# KiCad board squishy.kicad_pcb (continued)
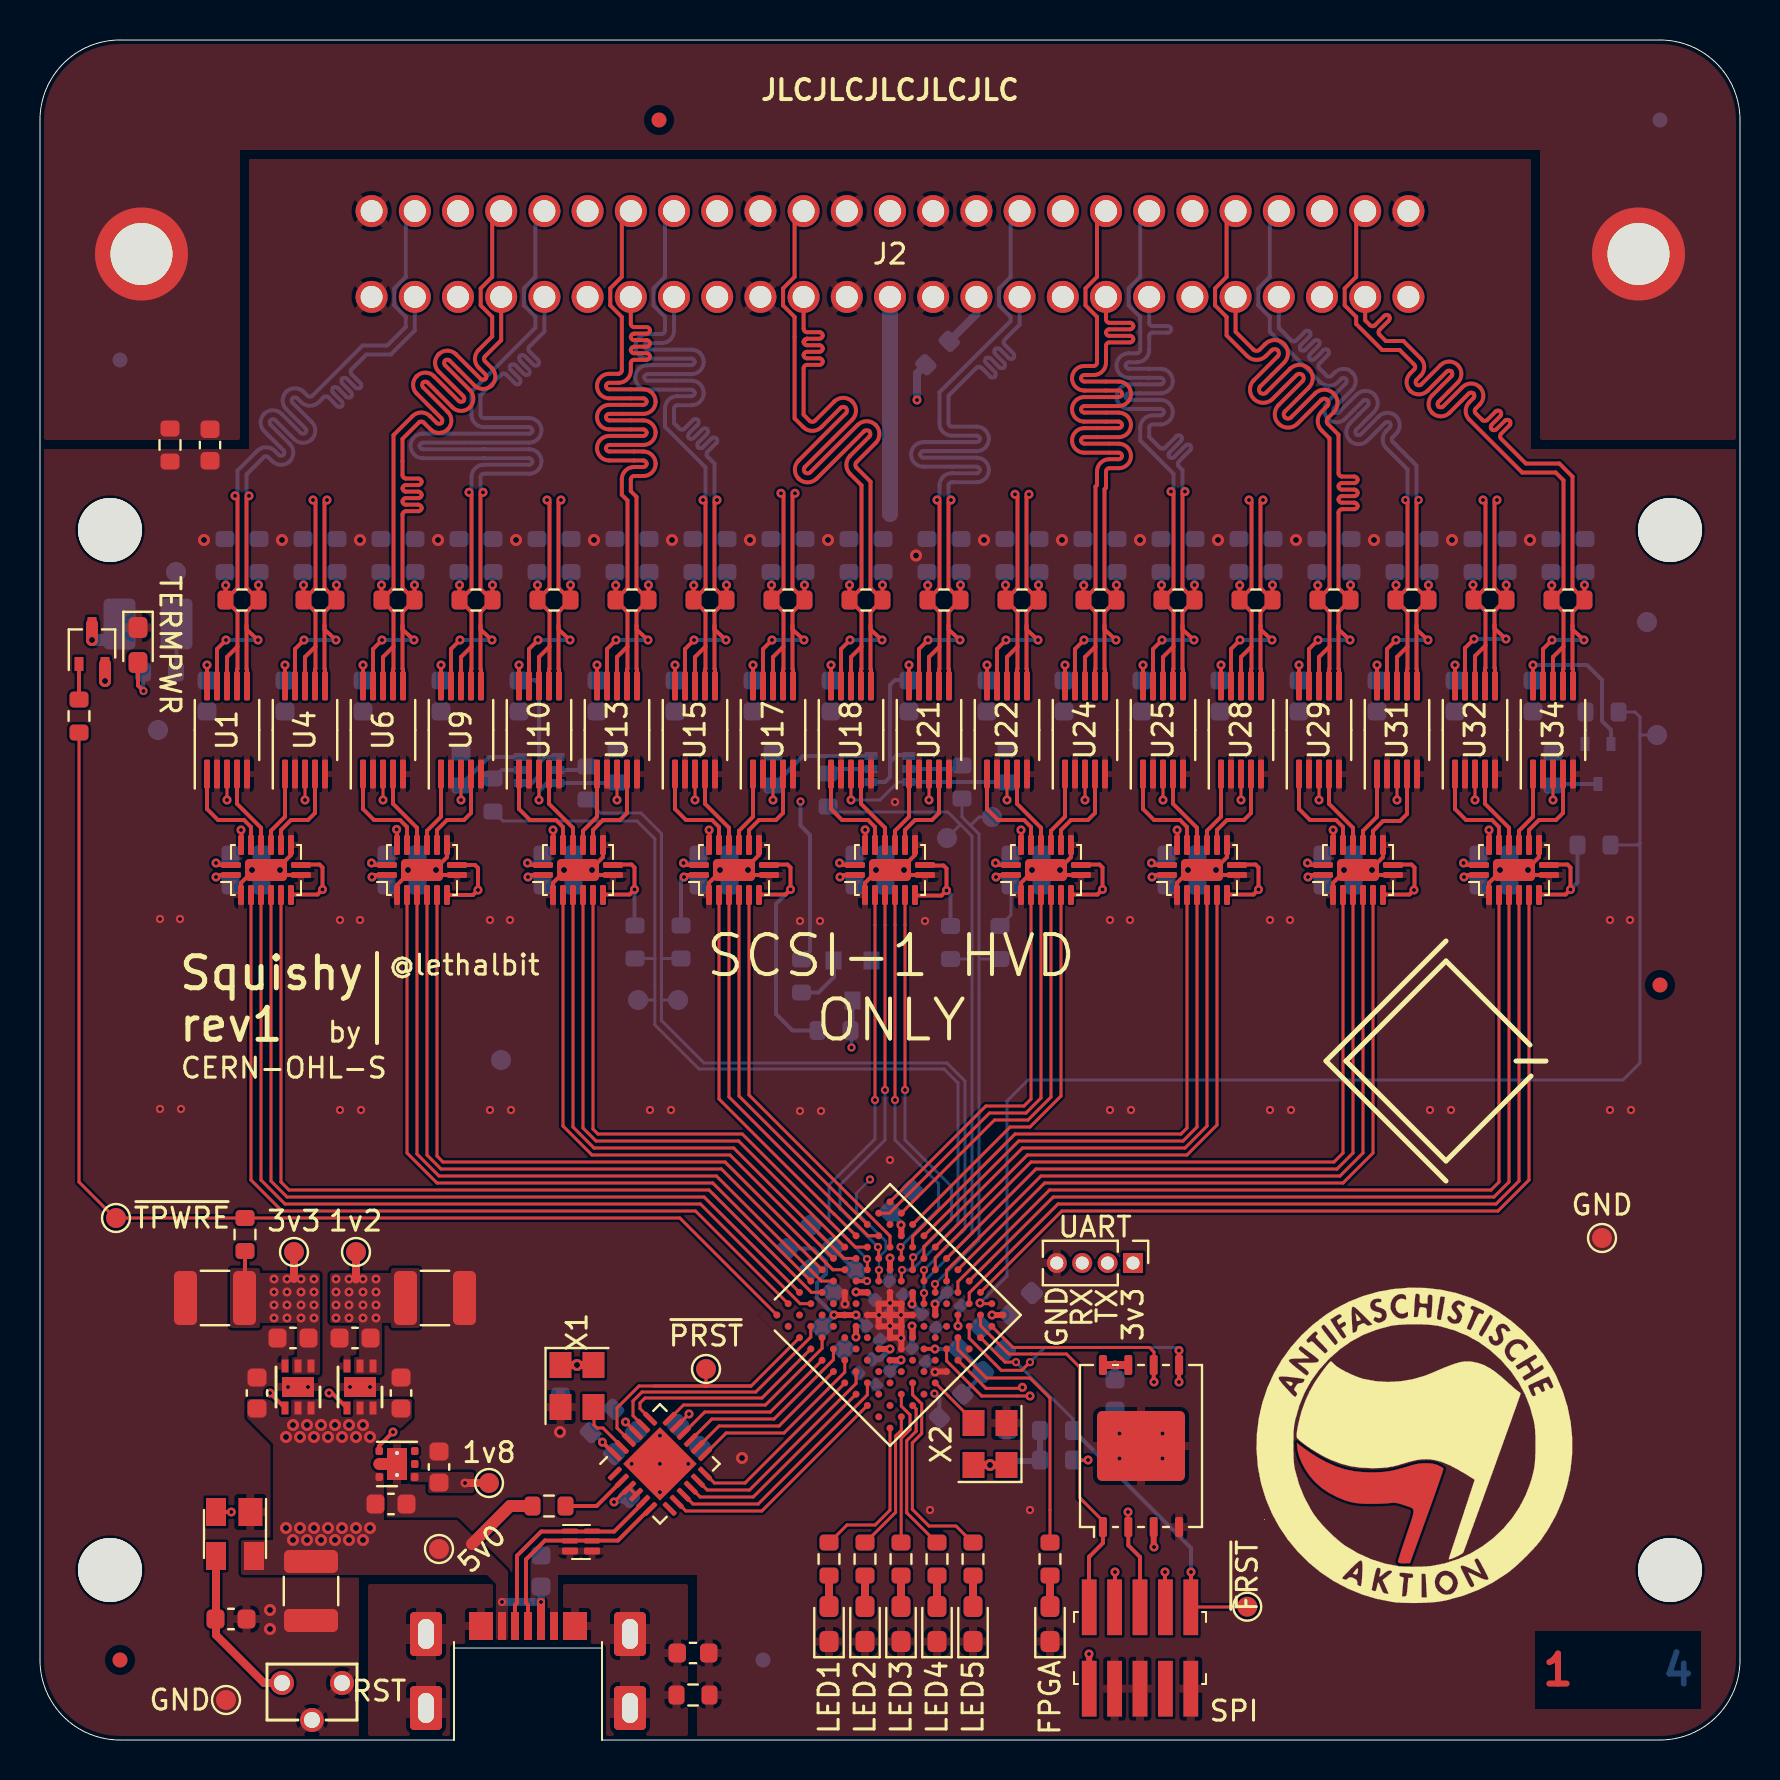
[diagram p0: board, top side]
## Routing (per net, layer and track width the routed paths; a pad name or vN(x,y) marks a point on that pad's centre or on a via; arc(x,y) is an arc through that point) (continued)
/SCSI Transceiver/SEL_TX: length 4.8
  Top w0.2: U9.4 21.55,46.35 21.2,46 20.35,46 19.85,45.5 U8.11
/SCSI Transceiver/TX_EN: length 63.5
  Top w0.152: U21.3 v2(44.45,47) ; U31.3 v2(67.85,47) ; U22.3 v2(48.35,47) ; U32.3 v2(71.75,47) ; U28.3 v2(60.05,47) ; U24.3 v2(52.25,47) ; U29.3 v2(63.95,47) ; U13.3 v2(28.85,47) ; U34.3 v2(75.65,47) ; U25.3 v2(56.15,47)
  In2.Cu w0.152: v2(75.65,47) v2(71.75,47) v2(67.85,47) v2(63.95,47) v2(60.05,47) v2(56.15,47) v2(52.25,47) v2(48.35,47) v2(44.45,47) 43.45,46 29.85,46 v2(28.85,47)
  Bottom w0.152: v2(75.65,47) 75.65,47.7
  Bottom w0.2: Q2.3 75.8,47.8 75.75,47.75
/SCSI-OUT.ACK+: length 42.1
  Top w0.2: v2(34.3,55) 33.72,55.52 33.72,55.72 ; 33.72,55.72 33.72,56.4 R11.2 ; 33.72,55.72 33.72,53.56 33.75,53.53 33.75,53.1 ; U15.9 32.25,54.55 v2(32.7,55) ; v2(33.85,62) 33.73,61.88 33.73,57.6 R11.2 ; R11.2 v2(34.32,57.75)
  Bottom w0.2: v2(33.85,62) 33.73,62.12 33.73,63.82 33.37,64.17 arc(33.32,64.29) 33.37,64.4 33.82,64.85 arc(33.87,64.96) 33.82,65.08 arc(33.7,65.13) 33.59,65.08 33.14,64.63 arc(33.02,64.59) 32.91,64.63 arc(32.86,64.75) 32.91,64.87 33.36,65.31 arc(33.4,65.43) 33.36,65.54 arc(33.24,65.59) 33.12,65.54 32.68,65.1 arc(32.56,65.05) 32.45,65.1 arc(32.4,65.21) 32.45,65.33 32.89,65.77 arc(32.94,65.89) 32.89,66.01 arc(32.78,66.05) 32.66,66.01 32.22,65.56 arc(32.1,65.51) 31.98,65.56 31.7,65.84 31.7,66.57 arc(31.75,66.69) 31.86,66.74 32.57,66.74 arc(33.01,66.92) 33.18,67.35 arc(33.01,67.79) 32.57,67.97 30.38,67.97 arc(30.26,68.01) 30.22,68.13 arc(30.26,68.24) 30.38,68.29 32.57,68.29 arc(33.01,68.47) 33.18,68.91 arc(33.01,69.34) 32.57,69.52 30.38,69.52 arc(30.26,69.57) 30.22,69.68 arc(30.26,69.8) 30.38,69.85 31.09,69.85 arc(31.52,70.03) 31.7,70.46 J2.18 ; v2(34.3,55) v2(32.7,55) ; v2(34.32,57.75) 34.32,58.38
/SCSI-OUT.ACK-: length 39.3
  Top w0.2: U15.8 32.75,54.15 33.27,54.67 ; v2(32.69,57.74) 32.68,57.72 R11.1 33.27,57.6 33.27,61.88 v2(33.15,62) ; 32.67,57 33.27,56.4 33.27,54.67 ; 33.25,53.05 33.25,53.53 33.27,53.56 33.27,54.67
  Bottom w0.2: v2(33.15,62) 33.27,62.12 33.27,63.63 31.25,65.66 31.25,66.57 arc(31.43,67.01) 31.86,67.19 32.57,67.19 arc(32.69,67.24) 32.73,67.35 arc(32.69,67.47) 32.57,67.52 30.38,67.52 arc(29.94,67.7) 29.77,68.13 arc(29.94,68.56) 30.38,68.74 32.57,68.74 arc(32.69,68.79) 32.73,68.91 arc(32.69,69.02) 32.57,69.07 30.38,69.07 arc(29.94,69.25) 29.77,69.68 arc(29.94,70.12) 30.38,70.3 31.09,70.3 arc(31.2,70.34) 31.25,70.46 31.25,71.15 30.67,71.73 30.67,72.58 31.25,73.16 31.25,76 J2.43 ; v2(32.69,57.74) 32.69,58.36 R66.2
/SCSI-OUT.ATN+: length 43.8
  Top w0.2: 41.55,53.1 41.55,53.53 41.52,53.56 41.52,55.72 ; R15.2 v2(42.12,57.75) ; R15.2 41.53,57.6 41.53,62.92 40.82,63.62 arc(40.77,63.75) 40.82,63.89 41.78,64.85 arc(41.97,65.3) 41.78,65.75 arc(41.33,65.94) 40.88,65.75 38.51,63.39 arc(38.38,63.33) 38.25,63.39 arc(38.19,63.52) 38.25,63.65 40.61,66.02 arc(40.8,66.47) 40.61,66.92 arc(40.16,67.11) 39.71,66.92 38.75,65.96 arc(38.62,65.91) 38.48,65.96 38.18,66.26 38.18,68.59 arc(38.23,68.71) 38.34,68.76 38.97,68.76 arc(39.09,68.8) 39.14,68.92 arc(39.09,69.04) 38.97,69.08 38.34,69.08 arc(38.23,69.13) 38.18,69.25 arc(38.23,69.36) 38.34,69.41 38.97,69.41 arc(39.09,69.46) 39.14,69.57 arc(39.09,69.69) 38.97,69.74 38.34,69.74 arc(38.23,69.79) 38.18,69.9 ; R15.2 41.52,56.4 41.52,55.72 ; 41.52,55.72 41.52,55.52 v2(42.1,55) ; 38.34,70.06 38.18,69.9 ; 38.34,70.06 38.97,70.06 arc(39.09,70.11) 39.14,70.23 arc(39.09,70.34) 38.97,70.39 38.34,70.39 arc(38.23,70.44) 38.18,70.56 J2.15 ; 38.34,70.06 arc(38.23,70.02) 38.18,69.9 ; U18.9 40.05,54.55 v2(40.5,55)
  Bottom w0.2: 42.15,58.3 42.12,58.27 v2(42.12,57.75) ; v2(42.1,55) v2(40.5,55)
/SCSI-OUT.ATN-: length 40.9
  Top w0.2: 41.07,54.67 41.07,53.56 41.05,53.53 41.05,53.05 ; 41.07,54.67 41.07,56.4 40.47,57 ; 41.07,54.67 40.55,54.15 U18.8 ; v2(40.47,57.75) 40.47,57.75 R15.1 41.07,57.6 41.07,62.73 40.5,63.3 arc(40.32,63.75) 40.5,64.21 41.47,65.17 arc(41.52,65.3) 41.47,65.43 arc(41.33,65.49) 41.2,65.43 38.83,63.07 arc(38.38,62.88) 37.93,63.07 arc(37.74,63.52) 37.93,63.97 40.3,66.34 arc(40.35,66.47) 40.3,66.6 arc(40.16,66.66) 40.03,66.6 39.07,65.64 arc(38.62,65.46) 38.16,65.64 37.73,66.08 37.73,71.15 37.15,71.73 37.15,72.58 37.73,73.16 37.73,76 J2.40
  Bottom w0.2: R60.2 40.47,58.38 v2(40.47,57.75)
/SCSI-OUT.BSY+: length 41.8
  Top w0.2: 37.62,55.72 37.62,53.56 37.65,53.53 37.65,53.1 ; 37.62,55.72 37.62,55.52 v2(38.2,55) ; 37.62,55.72 37.62,56.4 R12.2 ; R12.2 v2(38.22,57.75) ; R12.2 37.62,57.6 37.62,62.21 v2(37.75,62.34) ; U17.9 36.15,54.55 v2(36.6,55)
  In1.Cu w0.2: v2(37.75,62.34) 37.62,62.46 37.62,63.19 36.86,63.96 arc(36.81,64.07) 36.86,64.19 37.44,64.77 arc(37.62,65.2) 37.44,65.64 arc(37,65.81) 36.57,65.64 34.86,63.93 arc(34.75,63.88) 34.63,63.93 arc(34.59,64.05) 34.63,64.16 36.34,65.87 arc(36.52,66.3) 36.34,66.73 arc(35.9,66.91) 35.47,66.73 34.89,66.16 arc(34.78,66.11) 34.66,66.16 33.86,66.96 33.86,67.77 arc(33.91,67.88) 34.02,67.93 34.58,67.93 arc(34.7,67.98) 34.74,68.09 arc(34.7,68.21) 34.58,68.26 34.02,68.26 arc(33.91,68.3) 33.86,68.42 arc(33.91,68.53) 34.02,68.58 34.58,68.58 arc(34.7,68.63) 34.74,68.75 arc(34.7,68.86) 34.58,68.91 34.02,68.91 arc(33.91,68.96) 33.86,69.07 arc(33.91,69.19) 34.02,69.24 34.58,69.24 arc(34.7,69.28) 34.74,69.4 arc(34.7,69.52) 34.58,69.56 34.02,69.56 arc(33.91,69.61) 33.86,69.73 arc(33.91,69.84) 34.02,69.89 34.58,69.89 arc(34.7,69.94) 34.74,70.05 arc(34.7,70.17) 34.58,70.22 34.02,70.22 arc(33.91,70.27) 33.86,70.38 J2.17
  Bottom w0.2: v2(38.22,57.75) 38.22,58.32 38.25,58.35 ; v2(38.2,55) v2(36.6,55)
/SCSI-OUT.BSY-: length 38
  Top w0.2: v2(37.05,62.34) 37.17,62.21 37.17,57.6 36.57,57 37.17,56.4 37.17,54.67 ; 37.15,53.05 37.15,53.53 37.17,53.56 37.17,54.67 ; 37.17,54.67 36.65,54.15 U17.8 ; v2(36.57,57.75) 36.57,57.75 R12.1
  In1.Cu w0.2: J2.42 33.41,76 33.41,73.16 32.83,72.58 32.83,71.73 33.41,71.15 33.41,66.77 34.34,65.84 arc(34.78,65.66) 35.21,65.84 35.79,66.42 arc(35.9,66.46) 36.02,66.42 arc(36.07,66.3) 36.02,66.18 34.32,64.48 arc(34.14,64.05) 34.32,63.61 arc(34.75,63.43) 35.18,63.61 36.89,65.32 arc(37,65.36) 37.12,65.32 arc(37.17,65.2) 37.12,65.09 36.54,64.51 arc(36.36,64.07) 36.54,63.64 37.17,63.01 37.17,62.46 v2(37.05,62.34)
  Bottom w0.2: v2(36.57,57.75) 36.57,58.32 36.6,58.35
/SCSI-OUT.CD+: length 43.6
  Top w0.2: v2(17.1,55) 16.65,54.55 U6.9 ; R5.2 18.12,56.4 18.12,55.72 ; R5.2 18.13,57.6 18.13,61.28 arc(18.17,61.39) 18.29,61.44 18.92,61.44 arc(19.04,61.49) 19.08,61.6 arc(19.04,61.72) 18.92,61.77 18.29,61.77 arc(18.17,61.81) 18.13,61.93 arc(18.17,62.04) 18.29,62.09 18.92,62.09 arc(19.04,62.14) 19.08,62.26 arc(19.04,62.37) 18.92,62.42 18.29,62.42 arc(18.17,62.47) 18.13,62.58 arc(18.17,62.7) 18.29,62.75 18.92,62.75 arc(19.04,62.79) 19.08,62.91 arc(19.04,63.03) 18.92,63.07 18.29,63.07 arc(18.17,63.12) 18.13,63.24 18.13,65.06 18.95,65.88 arc(19.06,65.93) 19.18,65.88 19.52,65.53 arc(19.96,65.35) 20.39,65.53 arc(20.57,65.97) 20.39,66.4 19.15,67.64 arc(19.1,67.76) 19.15,67.87 arc(19.27,67.92) 19.38,67.87 20.62,66.63 arc(21.06,66.45) 21.49,66.63 arc(21.67,67.07) 21.49,67.5 20.25,68.74 arc(20.2,68.85) 20.25,68.97 arc(20.37,69.02) 20.48,68.97 21.72,67.73 arc(22.15,67.55) 22.59,67.73 arc(22.77,68.17) 22.59,68.6 22.24,68.94 arc(22.2,69.06) 22.24,69.17 23.06,69.99 J2.22 ; R5.2 v2(18.72,57.75) ; 18.12,55.72 18.12,53.56 18.15,53.53 18.15,53.1 ; 18.12,55.72 18.12,55.52 v2(18.7,55)
  Bottom w0.2: 18.75,58.35 18.72,58.32 v2(18.72,57.75) ; v2(18.7,55) v2(17.1,55)
/SCSI-OUT.CD-: length 40.9
  Top w0.2: 17.07,57 17.67,56.4 17.67,54.67 ; v2(17.07,57.75) 17.07,57.75 R5.1 17.67,57.6 17.67,65.24 18.63,66.2 arc(19.06,66.38) 19.5,66.2 19.84,65.85 arc(19.96,65.8) 20.07,65.85 arc(20.12,65.97) 20.07,66.08 18.83,67.32 arc(18.65,67.76) 18.83,68.19 arc(19.27,68.37) 19.7,68.19 20.94,66.95 arc(21.06,66.9) 21.17,66.95 arc(21.22,67.07) 21.17,67.18 19.93,68.42 arc(19.75,68.85) 19.93,69.29 arc(20.37,69.47) 20.8,69.29 22.04,68.05 arc(22.15,68) 22.27,68.05 arc(22.32,68.17) 22.27,68.28 21.92,68.63 arc(21.75,69.06) 21.92,69.49 22.61,70.18 22.61,71.15 22.03,71.73 22.03,72.58 22.61,73.16 22.61,76 J2.47 ; 17.67,54.67 17.15,54.15 U6.8 ; 17.67,54.67 17.67,53.56 17.65,53.53 17.65,53.05
  Bottom w0.2: R81.2 17.07,58.38 v2(17.07,57.75)
/SCSI-OUT.DB0+: length 43.6
  Top w0.2: R28.2 v2(77.22,57.75) ; R28.2 76.63,57.6 76.63,63.17 75.97,63.82 74.29,63.82 73.05,65.07 arc(73,65.19) 73.05,65.3 73.48,65.73 arc(73.53,65.85) 73.48,65.97 arc(73.36,66.01) 73.25,65.97 72.82,65.53 arc(72.7,65.49) 72.58,65.53 arc(72.54,65.65) 72.58,65.77 73.02,66.2 arc(73.06,66.31) 73.02,66.43 arc(72.9,66.48) 72.78,66.43 72.35,66 arc(72.24,65.95) 72.12,66 71.78,66.34 arc(71.73,66.45) 71.78,66.57 71.99,66.78 arc(72.17,67.21) 71.99,67.64 arc(71.56,67.82) 71.12,67.64 70.16,66.68 arc(70.04,66.63) 69.92,66.68 arc(69.88,66.79) 69.92,66.91 70.89,67.88 arc(71.07,68.31) 70.89,68.74 arc(70.46,68.92) 70.02,68.74 69.06,67.78 arc(68.94,67.73) 68.83,67.78 arc(68.78,67.89) 68.83,68.01 69.03,68.22 arc(69.21,68.65) 69.03,69.08 68.17,69.95 67.29,69.95 66.97,70.27 arc(66.92,70.39) 66.97,70.5 67.45,70.98 arc(67.5,71.09) 67.45,71.21 arc(67.33,71.26) 67.22,71.21 66.74,70.73 arc(66.62,70.69) 66.51,70.73 66.26,70.98 J2.2 ; R28.2 76.62,56.4 76.62,55.72 ; U34.9 75.15,54.55 v2(75.6,55) ; 76.62,55.72 76.62,53.56 76.65,53.53 76.65,53.1 ; 76.62,55.72 76.62,55.52 v2(77.2,55)
  Bottom w0.2: v2(77.2,55) v2(75.6,55) ; v2(77.22,57.75) 77.22,58.37 R31.1
/SCSI-OUT.DB0-: length 40.8
  Top w0.2: 76.17,54.67 76.17,56.4 75.57,57 ; 76.17,54.67 75.65,54.15 U34.8 ; 76.17,54.67 76.17,53.56 76.15,53.53 76.15,53.05 ; v2(75.59,57.74) 75.57,57.72 R28.1 76.17,57.6 76.17,62.98 75.78,63.38 74.11,63.38 71.46,66.02 arc(71.28,66.45) 71.46,66.89 71.67,67.09 arc(71.72,67.21) 71.67,67.33 arc(71.56,67.37) 71.44,67.33 70.47,66.36 arc(70.04,66.18) 69.61,66.36 arc(69.43,66.79) 69.61,67.23 70.57,68.19 arc(70.62,68.31) 70.57,68.42 arc(70.46,68.47) 70.34,68.42 69.38,67.46 arc(68.94,67.28) 68.51,67.46 arc(68.33,67.89) 68.51,68.33 68.72,68.53 arc(68.76,68.65) 68.72,68.77 67.98,69.5 67.11,69.5 65.81,70.8 65.81,71.15 65.23,71.73 65.23,72.58 65.81,73.16 65.81,76 J2.27
  Bottom w0.2: 75.55,58.35 75.59,58.31 v2(75.59,57.74)
/SCSI-OUT.DB1+: length 43.4
  Top w0.2: v2(73.3,55.05) 72.72,55.57 72.72,55.77 ; 72.72,55.77 72.72,53.61 72.75,53.58 72.75,53.15 ; 72.72,55.77 72.72,56.45 73.31,57.04 ; v2(71.7,55.05) 71.25,54.6 71.25,52.75 ; v2(72.85,62) 72.73,61.88 72.73,57.6 R27.2 73.32,57.77 v2(73.31,57.75)
  In1.Cu w0.2: v2(72.85,62) 72.73,62.12 72.73,63.77 72.05,64.45 arc(71.98,64.62) 72.05,64.78 72.25,64.99 arc(72.46,65.48) 72.25,65.97 arc(71.77,66.17) 71.28,65.97 70.21,64.89 arc(70.04,64.82) 69.87,64.89 arc(69.8,65.06) 69.87,65.23 70.94,66.3 arc(71.14,66.79) 70.94,67.28 arc(70.46,67.48) 69.97,67.28 68.9,66.21 arc(68.73,66.14) 68.56,66.21 arc(68.49,66.37) 68.56,66.54 68.77,66.75 arc(68.97,67.24) 68.77,67.72 67.64,68.85 65.92,68.85 65.53,69.23 arc(65.48,69.37) 65.53,69.5 66.25,70.22 arc(66.3,70.35) 66.25,70.48 arc(66.12,70.54) 65.98,70.48 65.27,69.77 arc(65.13,69.71) 65,69.77 arc(64.95,69.9) 65,70.03 65.72,70.75 arc(65.77,70.88) 65.72,71.02 arc(65.58,71.07) 65.45,71.02 64.73,70.3 arc(64.6,70.25) 64.47,70.3 64.1,70.67 J2.3
  Bottom w0.2: v2(73.31,57.75) 73.31,58.39 ; v2(73.3,55.05) v2(71.7,55.05)
/SCSI-OUT.DB1-: length 40.6
  Top w0.2: 72.25,53.1 72.25,53.58 72.27,53.61 72.27,54.72 ; 72.27,54.72 72.27,56.45 71.71,57.01 ; 72.27,54.72 71.75,54.2 71.75,52.75 ; v2(71.65,57.76) 71.68,57.74 R27.1 72.27,57.6 72.27,61.88 v2(72.15,62)
  In1.Cu w0.2: J2.28 63.65,76 63.65,73.16 63.07,72.58 63.07,71.73 63.65,71.15 63.65,70.48 65.73,68.4 67.46,68.4 68.45,67.41 arc(68.52,67.24) 68.45,67.07 68.24,66.86 arc(68.04,66.37) 68.24,65.89 arc(68.73,65.69) 69.22,65.89 70.29,66.96 arc(70.46,67.03) 70.63,66.96 arc(70.69,66.79) 70.63,66.62 69.55,65.55 arc(69.35,65.06) 69.55,64.58 arc(70.04,64.37) 70.53,64.58 71.6,65.65 arc(71.77,65.72) 71.94,65.65 arc(72.01,65.48) 71.94,65.31 71.73,65.1 arc(71.53,64.62) 71.73,64.13 72.27,63.58 72.27,62.12 v2(72.15,62)
  Bottom w0.2: v2(71.65,57.76) R36.2
/SCSI-OUT.DB2+: length 42.1
  Top w0.2: R26.2 68.82,56.4 68.82,55.72 ; R26.2 v2(69.43,57.75) ; R26.2 68.83,57.6 68.83,61.9 v3(68.93,62) ; 68.82,55.72 68.82,55.52 v2(69.4,55) ; 68.82,55.72 68.82,53.56 68.85,53.53 68.85,53.1 ; v2(67.8,55) 67.35,54.55 U31.9
  Bottom w0.2: R39.1 69.42,58.37 v2(69.42,57.75) ; v2(69.4,55) v2(67.8,55) ; J2.4 61.94,70.6 62.57,69.97 arc(62.69,69.92) 62.8,69.97 63.25,70.42 arc(63.36,70.47) 63.48,70.42 arc(63.53,70.3) 63.48,70.19 63.03,69.74 arc(62.99,69.62) 63.03,69.51 arc(63.15,69.46) 63.27,69.51 63.71,69.96 arc(63.83,70) 63.94,69.96 arc(63.99,69.84) 63.94,69.72 63.5,69.28 arc(63.45,69.16) 63.5,69.05 arc(63.61,69) 63.73,69.05 64.17,69.49 arc(64.29,69.54) 64.41,69.49 arc(64.45,69.38) 64.41,69.26 63.96,68.82 arc(63.91,68.7) 63.96,68.58 64.34,68.21 arc(64.45,68.16) 64.57,68.21 64.74,68.38 arc(65.18,68.56) 65.61,68.38 arc(65.79,67.94) 65.61,67.51 64.71,66.62 arc(64.67,66.5) 64.71,66.38 arc(64.83,66.34) 64.95,66.38 65.84,67.28 arc(66.27,67.46) 66.71,67.28 arc(66.89,66.85) 66.71,66.41 65.81,65.52 arc(65.76,65.4) 65.81,65.29 arc(65.93,65.24) 66.04,65.29 66.94,66.18 arc(67.37,66.36) 67.81,66.18 arc(67.99,65.75) 67.81,65.31 67.63,65.14 arc(67.59,65.02) 67.63,64.91 68.83,63.72 68.83,62.1 v3(68.93,62)
/SCSI-OUT.DB2-: length 39.3
  Top w0.2: v2(67.8,57.75) 67.78,57.72 R26.1 68.37,57.6 68.37,61.9 v3(68.27,62) ; 68.35,53.05 68.35,53.53 68.37,53.56 68.37,54.67 ; 68.37,54.67 67.85,54.15 U31.8 ; 68.37,54.67 68.37,56.4 67.77,57
  Bottom w0.2: v3(68.27,62) 68.37,62.1 68.37,63.53 67.32,64.59 arc(67.14,65.02) 67.32,65.46 67.49,65.63 arc(67.54,65.75) 67.49,65.86 arc(67.37,65.91) 67.26,65.86 66.36,64.97 arc(65.93,64.79) 65.49,64.97 arc(65.31,65.4) 65.49,65.83 66.39,66.73 arc(66.44,66.85) 66.39,66.96 arc(66.27,67.01) 66.16,66.96 65.26,66.07 arc(64.83,65.89) 64.4,66.07 arc(64.22,66.5) 64.4,66.93 65.29,67.83 arc(65.34,67.94) 65.29,68.06 arc(65.18,68.11) 65.06,68.06 64.89,67.89 arc(64.45,67.71) 64.02,67.89 61.49,70.42 61.49,71.15 60.91,71.73 60.91,72.58 61.49,73.16 61.49,76 J2.29 ; v2(67.8,57.75) 67.8,58.35 R41.2
/SCSI-OUT.DB3+: length 43.6
  Top w0.2: J2.5 59.78,70.41 60.68,69.52 arc(60.83,69.45) 60.98,69.52 61.26,69.8 arc(61.73,70) 62.2,69.8 arc(62.4,69.33) 62.2,68.87 61.01,67.67 arc(60.95,67.52) 61.01,67.37 arc(61.16,67.31) 61.31,67.37 62.5,68.56 arc(62.97,68.76) 63.44,68.56 arc(63.64,68.09) 63.44,67.62 62.25,66.43 arc(62.19,66.28) 62.25,66.13 arc(62.4,66.07) 62.55,66.13 63.74,67.32 arc(64.21,67.52) 64.68,67.32 arc(64.88,66.85) 64.68,66.38 64.4,66.1 arc(64.33,65.95) 64.4,65.8 64.93,65.27 64.93,63.34 arc(64.97,63.22) 65.09,63.17 65.72,63.17 arc(65.84,63.13) 65.88,63.01 arc(65.84,62.89) 65.72,62.85 65.09,62.85 arc(64.97,62.8) 64.93,62.68 arc(64.97,62.57) 65.09,62.52 65.72,62.52 arc(65.84,62.47) 65.88,62.36 arc(65.84,62.24) 65.72,62.19 65.09,62.19 arc(64.97,62.14) 64.93,62.03 arc(64.97,61.91) 65.09,61.87 65.72,61.87 arc(65.84,61.82) 65.88,61.7 arc(65.84,61.59) 65.72,61.54 65.09,61.54 arc(64.97,61.49) 64.93,61.37 64.93,57.6 R25.2 ; U29.9 63.45,54.55 v2(63.9,55) ; v2(65.5,55) 64.92,55.52 64.92,55.72 ; 64.92,55.72 64.92,56.4 R25.2 ; 64.92,55.72 64.92,53.56 64.95,53.53 64.95,53.1 ; R25.2 v2(65.53,57.75)
  Bottom w0.2: v2(65.5,55) v2(63.9,55) ; v2(65.52,57.75) 65.52,58.38
/SCSI-OUT.DB3-: length 40.8
  Top w0.2: 64.47,54.67 64.47,56.4 63.87,57 ; 64.47,54.67 64.47,53.56 64.45,53.53 64.45,53.05 ; 64.47,54.67 63.95,54.15 U29.8 ; v2(63.89,57.74) 63.88,57.72 R25.1 64.47,57.6 64.47,65.08 64.08,65.48 arc(63.88,65.95) 64.08,66.42 64.36,66.7 arc(64.43,66.85) 64.36,67 arc(64.21,67.07) 64.06,67 62.87,65.81 arc(62.4,65.62) 61.93,65.81 arc(61.74,66.28) 61.93,66.75 63.12,67.94 arc(63.19,68.09) 63.12,68.25 arc(62.97,68.31) 62.82,68.25 61.63,67.05 arc(61.16,66.86) 60.69,67.05 arc(60.5,67.52) 60.69,67.99 61.88,69.18 arc(61.95,69.33) 61.88,69.49 arc(61.73,69.55) 61.58,69.49 61.3,69.2 arc(60.83,69) 60.36,69.2 59.33,70.23 59.33,71.15 58.75,71.73 58.75,72.58 59.33,73.16 59.33,76 J2.30
  Bottom w0.2: v2(63.89,57.74) 63.89,58.31 63.85,58.35
/SCSI-OUT.DB4+: length 43.4
  Top w0.2: U28.9 59.55,54.55 v2(60,55) ; R24.2 61.03,57.6 61.03,61.88 v2(61.15,62) ; R24.2 61.02,56.4 61.02,55.72 ; R24.2 v2(61.62,57.75) ; 61.02,55.72 61.02,55.52 v2(61.6,55) ; 61.02,55.72 61.02,53.56 61.05,53.53 61.05,53.1
  In1.Cu w0.2: v2(61.15,62) 61.03,62.12 61.03,63.52 60.4,64.15 arc(60.35,64.26) 60.4,64.38 61.29,65.28 arc(61.47,65.71) 61.29,66.14 arc(60.86,66.32) 60.43,66.14 58.08,63.8 arc(57.97,63.75) 57.85,63.8 arc(57.8,63.91) 57.85,64.03 60.2,66.37 arc(60.38,66.81) 60.2,67.24 arc(59.76,67.42) 59.33,67.24 58.43,66.34 arc(58.31,66.3) 58.2,66.34 57.62,66.92 57.62,69.01 arc(57.67,69.12) 57.78,69.17 58.41,69.17 arc(58.53,69.22) 58.58,69.33 arc(58.53,69.45) 58.41,69.5 57.78,69.5 arc(57.67,69.55) 57.62,69.66 arc(57.67,69.78) 57.78,69.83 58.41,69.83 arc(58.53,69.87) 58.58,69.99 arc(58.53,70.1) 58.41,70.15 57.78,70.15 arc(57.67,70.2) 57.62,70.32 arc(57.67,70.43) 57.78,70.48 58.41,70.48 arc(58.53,70.53) 58.58,70.64 arc(58.53,70.76) 58.41,70.81 57.78,70.81 arc(57.67,70.85) 57.62,70.97 J2.6
  Bottom w0.2: v2(61.62,57.75) 61.62,58.43 ; v2(61.6,55) v2(60,55)
/SCSI-OUT.DB4-: length 40.6
  Top w0.2: 60.57,54.67 60.57,53.56 60.55,53.53 60.55,53.05 ; 60.57,54.67 60.05,54.15 U28.8 ; 60.57,54.67 60.57,56.4 59.97,57 ; v2(60.45,62) 60.57,61.88 60.57,57.6 R24.1 59.97,57.72 v2(59.99,57.74)
  In1.Cu w0.2: v2(60.45,62) 60.57,62.12 60.57,63.33 60.08,63.83 arc(59.9,64.26) 60.08,64.7 60.98,65.59 arc(61.02,65.71) 60.98,65.83 arc(60.86,65.87) 60.75,65.83 58.4,63.48 arc(57.97,63.3) 57.53,63.48 arc(57.35,63.91) 57.53,64.35 59.88,66.69 arc(59.93,66.81) 59.88,66.92 arc(59.76,66.97) 59.65,66.92 58.75,66.03 arc(58.31,65.85) 57.88,66.03 57.17,66.74 57.17,71.15 56.59,71.73 56.59,72.58 57.17,73.16 57.17,76 J2.31
  Bottom w0.2: v2(59.99,57.74) 59.99,58.31 59.95,58.35
/SCSI-OUT.DB5+: length 40.5
  Top w0.2: v2(57.7,55) 57.12,55.52 57.12,55.72 ; 57.15,53.1 57.15,53.53 57.12,53.56 57.12,55.72 ; 57.12,55.72 57.12,56.4 R23.2 ; v2(56.1,55) 55.65,54.55 U25.9 ; R23.2 57.12,57.6 57.12,62.3 v2(57.25,62.42) ; R23.2 v2(57.72,57.75)
  Bottom w0.2: v2(57.72,57.75) 57.72,58.32 57.75,58.35 ; J2.7 55.46,70.86 arc(55.51,70.74) 55.62,70.7 56.4,70.7 arc(56.51,70.65) 56.56,70.53 arc(56.51,70.42) 56.4,70.37 55.62,70.37 arc(55.51,70.32) 55.46,70.21 55.46,69.5 arc(55.28,69.07) 54.85,68.89 54.44,68.89 arc(54.33,68.84) 54.28,68.72 arc(54.33,68.61) 54.44,68.56 56.03,68.56 arc(56.46,68.38) 56.64,67.95 arc(56.46,67.51) 56.03,67.33 54.44,67.33 arc(54.33,67.28) 54.28,67.17 arc(54.33,67.05) 54.44,67.01 56.03,67.01 arc(56.46,66.83) 56.64,66.39 arc(56.46,65.96) 56.03,65.78 55.62,65.78 arc(55.51,65.73) 55.46,65.61 55.46,65.16 56.01,64.61 arc(56.12,64.56) 56.24,64.61 56.82,65.19 arc(56.94,65.24) 57.05,65.19 arc(57.1,65.08) 57.05,64.96 56.47,64.38 arc(56.42,64.26) 56.47,64.15 arc(56.59,64.1) 56.7,64.15 57.28,64.73 arc(57.4,64.78) 57.52,64.73 arc(57.56,64.61) 57.52,64.5 56.93,63.92 arc(56.89,63.8) 56.93,63.68 57.12,63.49 57.12,62.55 v2(57.25,62.42) ; v2(57.7,55) v2(56.1,55)
/SCSI-OUT.DB5-: length 36.7
  Top w0.2: v2(56.55,62.42) 56.67,62.3 56.67,57.6 56.07,57 56.67,56.4 56.67,54.67 ; 56.67,54.67 56.67,53.56 56.65,53.53 56.65,53.05 ; 56.67,54.67 56.15,54.15 U25.8 ; R23.1 56.07,57.75 v2(56.07,57.75)
  Bottom w0.2: J2.32 55.01,76 55.01,73.16 54.43,72.58 54.43,71.73 55.01,71.15 55.01,69.5 arc(54.96,69.38) 54.85,69.34 54.44,69.34 arc(54.01,69.16) 53.83,68.72 arc(54.01,68.29) 54.44,68.11 56.03,68.11 arc(56.14,68.06) 56.19,67.95 arc(56.14,67.83) 56.03,67.78 54.44,67.78 arc(54.01,67.6) 53.83,67.17 arc(54.01,66.74) 54.44,66.56 56.03,66.56 arc(56.14,66.51) 56.19,66.39 arc(56.14,66.28) 56.03,66.23 55.62,66.23 arc(55.19,66.05) 55.01,65.61 55.01,64.97 56.67,63.31 56.67,62.55 v2(56.55,62.42) ; 56.05,58.35 56.07,58.33 v2(56.07,57.75)
/SCSI-OUT.DB6+: length 43.6
  Top w0.2: U24.9 51.75,54.55 v2(52.2,55) ; R22.2 53.22,56.4 53.22,55.72 ; R22.2 v2(53.82,57.75) ; R22.2 53.23,57.6 53.23,62.54 53.3,62.61 53.3,63.42 arc(53.35,63.54) 53.46,63.59 53.94,63.59 arc(54.37,63.77) 54.55,64.2 arc(54.37,64.64) 53.94,64.82 52.21,64.82 arc(52.1,64.86) 52.05,64.98 arc(52.1,65.09) 52.21,65.14 53.94,65.14 arc(54.37,65.32) 54.55,65.76 arc(54.37,66.19) 53.94,66.37 52.21,66.37 arc(52.1,66.42) 52.05,66.53 arc(52.1,66.65) 52.21,66.7 53.94,66.7 arc(54.37,66.88) 54.55,67.31 arc(54.37,67.74) 53.94,67.92 52.21,67.92 arc(52.1,67.97) 52.05,68.09 arc(52.1,68.2) 52.21,68.25 52.69,68.25 arc(53.12,68.43) 53.3,68.86 53.3,69.72 arc(53.35,69.83) 53.46,69.88 54.5,69.88 arc(54.62,69.93) 54.67,70.04 arc(54.62,70.16) 54.5,70.21 53.46,70.21 arc(53.35,70.26) 53.3,70.37 arc(53.35,70.49) 53.46,70.53 54.5,70.53 arc(54.62,70.58) 54.67,70.7 arc(54.62,70.81) 54.5,70.86 53.46,70.86 arc(53.35,70.91) 53.3,71.03 J2.8 ; 53.22,55.72 53.22,53.56 53.25,53.53 53.25,53.1 ; 53.22,55.72 53.22,55.52 v2(53.8,55)